# KiCad board Skayboard.kicad_pcb (continued)
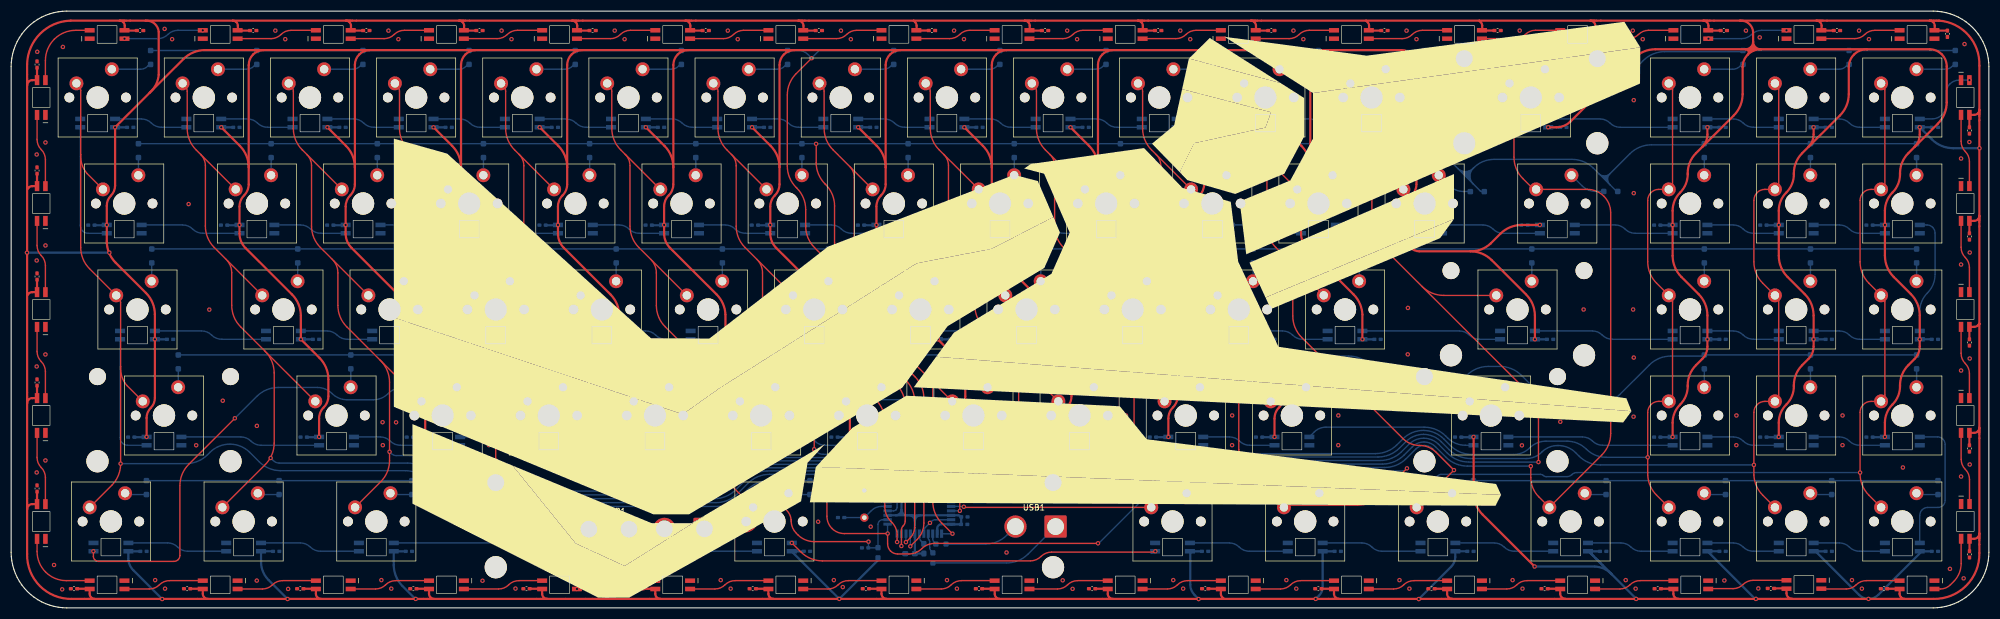
[diagram p0: board, top side]
## Routing (per net, layer and track width the routed paths; a pad name or vN(x,y) marks a point on that pad's centre or on a via; arc(x,y) is an arc through that point) (continued)
/0/DIN: length 14
  Bottom w0.25: 189.73,87.88 194.81,87.88 arc(195.79,87.68) 196.62,87.13 arc(197.45,86.57) 198.43,86.38 203.28,86.38
/1/DIN: length 14
  Bottom w0.25: 31.83,86.38 26.98,86.38 arc(26,86.57) 25.17,87.13 arc(24.34,87.68) 23.36,87.88 18.28,87.88
/1/DOUT: length 14
  Bottom w0.25: 50.88,86.38 46.03,86.38 arc(45.05,86.57) 44.22,87.13 arc(43.39,87.68) 42.41,87.88 37.33,87.88
/2/DOUT: length 14
  Bottom w0.25: 56.38,87.88 61.46,87.88 arc(62.44,87.68) 63.27,87.13 arc(64.1,86.57) 65.08,86.38 69.93,86.38
/3/DOUT: length 14
  Bottom w0.25: 75.43,87.88 80.51,87.88 arc(81.49,87.68) 82.32,87.13 arc(83.15,86.57) 84.13,86.38 88.98,86.38
/4/DOUT: length 14
  Bottom w0.25: 94.48,87.88 99.56,87.88 arc(100.54,87.68) 101.37,87.13 arc(102.2,86.57) 103.18,86.38 108.03,86.38
/5/DOUT: length 14
  Bottom w0.25: 127.07,86.38 122.23,86.38 arc(121.25,86.57) 120.42,87.13 arc(119.59,87.68) 118.61,87.88 113.52,87.88
/6/DOUT: length 14
  Bottom w0.25: 132.58,87.88 137.66,87.88 arc(138.64,87.68) 139.47,87.13 arc(140.3,86.57) 141.28,86.38 146.13,86.38
/7/DOUT: length 14
  Bottom w0.25: 165.18,86.38 160.33,86.38 arc(159.35,86.57) 158.52,87.13 arc(157.69,87.68) 156.71,87.88 151.63,87.88
/8/DOUT: length 14
  Bottom w0.25: 170.68,87.88 175.76,87.88 arc(176.74,87.68) 177.57,87.13 arc(178.4,86.57) 179.38,86.38 184.23,86.38
/"/DIN: length 14
  Bottom w0.25: 236.61,48.27 231.77,48.27 arc(230.79,48.47) 229.96,49.02 arc(229.13,49.58) 228.15,49.77 223.06,49.77
/"/DOUT: length 25.9
  Bottom w0.25: 242.11,49.77 259.87,49.77 arc(260.85,49.58) 261.68,49.02 arc(262.51,48.47) 263.49,48.27 267.57,48.27
/,/DIN: length 14
  Bottom w0.25: 194.49,30.72 199.57,30.72 arc(200.55,30.53) 201.38,29.97 arc(202.21,29.42) 203.19,29.22 208.04,29.22
/,/DOUT: length 14
  Bottom w0.25: 175.44,30.72 180.52,30.72 arc(181.5,30.53) 182.33,29.97 arc(183.16,29.42) 184.14,29.22 188.99,29.22
/-/DIN: length 14
  Bottom w0.25: 222.33,86.38 217.48,86.38 arc(216.5,86.57) 215.67,87.13 arc(214.84,87.68) 213.86,87.88 208.78,87.88
/-/DOUT: length 14
  Bottom w0.25: 227.83,87.88 232.91,87.88 arc(233.89,87.68) 234.72,87.13 arc(235.55,86.57) 236.53,86.38 241.38,86.38
/./DIN: length 14
  Bottom w0.25: 227.09,29.22 222.24,29.22 arc(221.26,29.42) 220.43,29.97 arc(219.6,30.53) 218.62,30.72 213.54,30.72
/;/DIN: length 14
  Bottom w0.25: 217.56,48.27 212.72,48.27 arc(211.74,48.47) 210.91,49.02 arc(210.08,49.58) 209.1,49.77 204.01,49.77
/=/DOUT: length 23.5
  Bottom w0.25: 246.88,87.88 262.07,87.88 arc(263.05,87.68) 263.88,87.13 arc(264.71,86.57) 265.69,86.38 269.95,86.38
/[/DIN: length 14
  Bottom w0.25: 237.35,68.82 242.44,68.82 arc(243.42,68.63) 244.25,68.07 arc(245.08,67.52) 246.06,67.32 250.9,67.32
/A/DIN: length 21.1
  Bottom w0.25: 25.42,49.77 34.17,49.77 arc(35.15,49.58) 35.98,49.02 arc(36.81,48.47) 37.79,48.27 46.11,48.27
/A/DOUT: length 14
  Bottom w0.25: 51.61,49.77 56.7,49.77 arc(57.68,49.58) 58.51,49.02 arc(59.34,48.47) 60.32,48.27 65.16,48.27
/B Slash/DIN: length 18.7
  Bottom w0.25: 298.53,67.32 291.44,67.32 arc(290.46,67.52) 289.63,68.07 arc(288.8,68.63) 287.82,68.82 280.21,68.82
/B Slash/DOUT: length 18.7
  Bottom w0.25: 274.71,67.32 267.74,67.32 arc(266.76,67.52) 265.93,68.07 arc(265.1,68.63) 264.12,68.82 256.4,68.82
/B/DIN: length 14
  Bottom w0.25: 137.34,30.72 142.42,30.72 arc(143.4,30.53) 144.23,29.97 arc(145.06,29.42) 146.04,29.22 150.89,29.22
/B/DOUT: length 14
  Bottom w0.25: 131.84,29.22 126.99,29.22 arc(126.01,29.42) 125.18,29.97 arc(124.35,30.53) 123.37,30.72 118.29,30.72
/Bksp/DOUT: length 23.5
  Bottom w0.25: 275.45,87.88 285.12,87.88 arc(286.1,87.68) 286.93,87.13 arc(287.76,86.57) 288.74,86.38 298.53,86.38
/C/DIN: length 14
  Bottom w0.25: 99.24,30.72 104.32,30.72 arc(105.3,30.53) 106.13,29.97 arc(106.96,29.42) 107.94,29.22 112.79,29.22
/C/DOUT: length 14
  Bottom w0.25: 80.19,30.72 85.27,30.72 arc(86.25,30.53) 87.08,29.97 arc(87.91,29.42) 88.89,29.22 93.74,29.22
/Caps/DIN: length 23.2
  Bottom w0.25: LED66.4 19.54,30.58 arc(19.65,30.06) 19.94,29.62 arc(20.38,29.33) 20.9,29.22 LED35.2
/COL^{0}: length 241.7
  Top w0.25: 12.48,81.47 12.48,64.8 arc(12.9,62.71) 14.07,60.95 19.25,55.77 arc(19.54,55.34) 19.65,54.82 19.65,43.34 ; 12.48,81.47 12.48,92.96 arc(12.38,93.46) 12.1,93.88 MX1.1 ; 12.48,81.47 arc(12.78,79.5) 13.63,78.07 MX18.1 ; MX35.1 20.79,39.95 arc(19.94,41.38) 19.65,43.34 ; MX51.1 18.05,22.02 arc(19.23,23.79) 19.65,25.87 ; 19.65,43.34 v1(19.65,25.92)
  Bottom w0.25: v1(19.65,25.92) 31.39,25.92 arc(33.47,26.34) 35.24,27.52 35.67,27.95 arc(37.31,29.04) 39.24,29.43 arc(41.18,29.04) 42.82,27.95 44.51,26.25 arc(46.28,25.07) 48.36,24.66 70.7,24.66 arc(72.78,24.25) 74.55,23.07 77.11,20.51 arc(78.87,19.33) 80.96,18.91 126.49,18.91 arc(128.57,19.33) 130.33,20.51 132.23,22.4 arc(133.99,23.58) 136.07,23.99 149.75,23.99 arc(151.83,23.58) 153.6,22.4 155.76,20.23 arc(156.2,19.94) 156.72,19.84 U1.18
/COL^{1}: length 232
  Top w0.25: 38.78,62.44 MX36.1 ; 45.55,46.15 41.18,50.51 arc(40,52.28) 39.58,54.36 39.58,60.21 arc(39.32,61.53) 38.58,62.64 36.45,64.77 arc(35.27,66.53) 34.85,68.62 34.85,79.47 arc(34.64,80.56) 34.02,81.49 ; 45.55,46.15 MX52.1 ; 45.55,46.15 arc(46.77,44.33) 47.2,42.23 47.2,29.62 arc(46.79,27.53) 45.61,25.77 MX67.1 ; MX2.1 31.18,93.86 arc(31.48,93.4) 31.59,92.86 31.59,86.17 arc(32,84.09) 33.18,82.32 34.02,81.49 ; 34.02,81.49 MX19.1
  Bottom w0.25: v1(46.57,26.94) 47.03,26.48 arc(47.53,26.14) 48.13,26.02 71.14,26.02 arc(73.22,25.61) 74.99,24.43 78.2,21.22 arc(79.97,20.04) 82.05,19.62 126.18,19.62 arc(128.26,20.04) 130.03,21.22 131.82,23.01 arc(133.58,24.19) 135.67,24.6 150.01,24.6 arc(152.09,24.19) 153.85,23.01 155.85,21.01 arc(156.26,20.74) 156.75,20.64 U1.19
/COL^{2}: length 207.8
  Top w0.25: 57.83,62.44 MX37.1 ; 53.07,81.49 MX20.1 ; 53.07,81.49 52.23,82.32 arc(51.05,84.09) 50.64,86.17 50.64,92.86 arc(50.53,93.4) 50.23,93.86 MX3.1 ; 53.07,81.49 arc(53.69,80.56) 53.9,79.47 53.9,68.62 arc(54.32,66.53) 55.5,64.77 57.63,62.64 arc(58.37,61.53) 58.63,60.21 58.63,54.36 arc(59.05,52.28) 60.23,50.51 66.25,44.49 ; MX68.1 66.31,22.66 arc(67.49,24.42) 67.91,26.5 v1(67.91,28.06) 67.91,40.58 arc(67.47,42.68) 66.25,44.49 ; 66.25,44.49 MX53.1
  Bottom w0.25: U1.20 156.76,21.44 arc(156.28,21.53) 155.87,21.81 154.08,23.59 arc(152.32,24.77) 150.23,25.19 135.26,25.19 arc(133.18,24.77) 131.41,23.59 129.72,21.9 arc(127.96,20.72) 125.88,20.31 83.11,20.31 arc(81.03,20.72) 79.27,21.9 75.39,25.78 arc(73.63,26.96) 71.55,27.37 69.08,27.37 arc(68.63,27.46) 68.25,27.71 v1(67.91,28.06)
/COL^{3}: length 177.2
  Top w0.25: MX4.1 69.28,93.86 arc(69.58,93.4) 69.69,92.86 69.69,86.17 arc(70.1,84.09) 71.28,82.32 72.12,81.49 ; v1(86.96,26.5) 86.96,40.58 arc(86.52,42.68) 85.3,44.49 ; 72.12,81.49 MX21.1 ; 72.12,81.49 arc(72.74,80.56) 72.95,79.47 72.95,68.62 arc(73.37,66.53) 74.55,64.77 76.68,62.64 arc(77.42,61.53) 77.68,60.21 77.68,54.36 arc(78.1,52.28) 79.28,50.51 MX54.1 ; 76.88,62.44 MX38.1
  Bottom w0.25: v1(86.96,26.5) 90.87,22.59 arc(92.64,21.41) 94.72,20.99 125.55,20.99 arc(127.63,21.41) 129.39,22.59 131.01,24.2 arc(132.77,25.38) 134.85,25.8 150.46,25.8 arc(152.55,25.38) 154.31,24.2 155.92,22.59 arc(156.31,22.33) 156.78,22.24 U1.21
/COL^{4}: length 157.8
  Top w0.25: MX55.1 98.33,50.51 arc(97.15,52.28) 96.73,54.36 96.73,60.21 arc(96.47,61.53) 95.73,62.64 93.6,64.77 arc(92.42,66.53) 92,68.62 92,79.47 arc(91.79,80.56) 91.17,81.49 ; 95.93,62.44 MX39.1 ; 91.17,81.49 90.33,82.32 arc(89.15,84.09) 88.74,86.17 88.74,92.86 arc(88.63,93.4) 88.33,93.86 MX5.1 ; 91.17,81.49 MX22.1 ; 106.01,26.5 v1(106.01,26.51) 106.01,40.58 arc(105.57,42.68) 104.35,44.49
  Bottom w0.25: v1(106.01,26.51) 109.26,23.25 arc(111.03,22.07) 113.11,21.66 125.27,21.66 arc(127.35,22.07) 129.11,23.25 130.7,24.84 arc(132.47,26.02) 134.55,26.43 150.72,26.43 arc(152.8,26.02) 154.57,24.84 156.04,23.36 arc(156.4,23.12) 156.82,23.04 U1.22
/COL^{5}: length 149.3
  Top w0.25: 123.4,44.49 MX56.1 ; 110.22,81.49 MX23.1 ; 114.98,62.44 MX40.1 ; MX6.1 107.38,93.86 arc(107.68,93.4) 107.79,92.86 107.79,86.17 arc(108.2,84.09) 109.38,82.32 110.22,81.49 arc(110.84,80.56) 111.05,79.47 111.05,68.62 arc(111.47,66.53) 112.65,64.77 114.78,62.64 arc(115.52,61.53) 115.78,60.21 115.78,54.36 arc(116.2,52.28) 117.38,50.51 123.52,44.37 arc(124.75,42.55) 125.18,40.46 125.18,28.3 arc(125.6,26.21) 126.78,24.45 v1(127.48,23.75) MX69.1
  Bottom w0.25: v1(127.48,23.75) 128.05,23.75 arc(128.58,23.85) 129.02,24.15 130.3,25.42 arc(132.06,26.6) 134.14,27.01 158.43,27.01 arc(159.25,26.85) 159.95,26.39 160.22,26.12 arc(160.49,25.72) 160.58,25.25 U1.25
/COL^{6}: length 119.3
  Top w0.25: MX57.1 136.43,50.51 arc(135.25,52.28) 134.83,54.36 134.83,60.21 arc(134.57,61.53) 133.83,62.64 131.7,64.77 arc(130.52,66.53) 130.1,68.62 130.1,79.47 arc(129.89,80.56) 129.27,81.49 ; 129.27,81.49 MX24.1 ; 129.27,81.49 128.43,82.32 arc(127.25,84.09) 126.84,86.17 126.84,92.86 arc(126.73,93.4) 126.43,93.86 MX7.1 ; 134.03,62.44 MX41.1 ; v1(144.11,28.51) 144.11,40.58 arc(143.67,42.68) 142.45,44.49
  Bottom w0.25: v1(144.11,28.51) 144.56,28.06 arc(145.07,27.72) 145.67,27.6 158.3,27.6 arc(159.48,27.36) 160.48,26.7 161.01,26.17 arc(161.28,25.75) 161.38,25.27 U1.26
/COL^{7}: length 108.3
  Top w0.25: 152.9,62.62 MX42.1 ; v1(168.92,13.32) 166.99,15.26 arc(165.81,17.03) 165.39,19.11 165.39,40.6 ; 165.39,40.6 157.67,48.32 arc(156.49,50.09) 156.07,52.17 156.07,58.02 arc(155.81,59.34) 155.07,60.45 ; 165.39,40.6 MX58.1 ; MX8.1 145.48,93.86 arc(145.78,93.4) 145.89,92.86 145.89,86.17 arc(146.3,84.09) 147.48,82.32 148.31,81.5 ; 148.32,81.49 MX25.1 ; 150.47,79.34 arc(151.09,78.41) 151.3,77.32 151.3,66.47 arc(151.72,64.38) 152.9,62.62
  Bottom w0.25: U1.1 166.99,13.33 arc(166.99,13.33) 167,13.32 v1(168.92,13.32)
/COL^{8}: length 118.1
  Top w0.25: 167.37,81.49 MX26.1 ; 167.37,81.49 166.53,82.32 arc(165.35,84.09) 164.94,86.17 164.94,92.86 arc(164.83,93.4) 164.53,93.86 MX9.1 ; 167.37,81.49 arc(167.99,80.56) 168.2,79.47 168.2,68.62 arc(168.62,66.53) 169.8,64.77 171.93,62.64 arc(172.67,61.53) 172.93,60.21 172.93,54.36 arc(173.35,52.28) 174.53,50.51 179.15,45.9 ; 172.13,62.44 MX43.1 ; 179.15,45.9 MX59.1 ; 179.15,45.9 arc(180.37,44.09) 180.8,41.99 180.8,33.96 arc(180.39,31.88) 179.21,30.11 171.54,22.45 arc(170.58,21) 170.24,19.29 170.24,17.45 arc(170.24,17.44) 170.24,17.44 v1(170.24,17.44)
  Bottom w0.25: v1(170.24,17.44) U1.41
/COL^{9}: length 147.7
  Top w0.25: MX10.1 183.58,93.86 arc(183.88,93.4) 183.99,92.86 183.99,86.17 arc(184.4,84.09) 185.58,82.32 186.42,81.49 ; 186.42,81.49 MX27.1 ; 186.42,81.49 arc(187.04,80.56) 187.25,79.47 187.25,68.62 arc(187.67,66.53) 188.85,64.77 190.98,62.64 arc(191.72,61.53) 191.98,60.21 191.98,54.36 arc(192.4,52.28) 193.58,50.51 199.85,44.24 arc(201.08,42.43) 201.51,40.33 201.51,23.33 arc(201.91,21.32) 203.05,19.61 MX70.1 171.14,18.07 arc(171.07,18.08) 171.01,18.12 v1(170.96,18.17) ; 199.6,44.49 MX60.1 ; 191.18,62.44 MX44.1
  Bottom w0.25: U1.40 170.84,18.24 arc(170.89,18.23) 170.93,18.2 v1(170.96,18.17)
/COL^{10}: length 221.9
  Top w0.25: 205.47,81.49 MX28.1 ; 205.47,81.49 204.63,82.32 arc(203.45,84.09) 203.04,86.17 203.04,92.86 arc(202.93,93.4) 202.63,93.86 MX11.1 ; 205.47,81.49 arc(206.09,80.56) 206.3,79.47 206.3,68.62 arc(206.72,66.53) 207.9,64.77 210.03,62.64 arc(210.77,61.53) 211.03,60.21 211.03,54.36 arc(211.45,52.28) 212.63,50.51 218.65,44.49 arc(219.88,42.68) 220.31,40.58 220.31,28.42 arc(220.72,26.33) 221.9,24.57 228.21,18.26 arc(228.41,18.18) 228.6,18.26 arc(228.82,18.4) 229.07,18.45 241.6,18.45 arc(243.68,18.87) 245.45,20.05 v1(250.48,25.08) ; 210.23,62.44 MX45.1 ; 218.65,44.49 MX61.1
  Bottom w0.25: U1.38 169.65,19.84 arc(170.54,20.02) 171.29,20.52 173.81,23.03 arc(175.57,24.21) 177.65,24.63 249.7,24.63 arc(250,24.69) 250.25,24.86 v1(250.48,25.08)
/COL^{11}: length 229.8
  Top w0.25: MX12.1 221.68,93.86 arc(221.98,93.4) 222.09,92.86 222.09,86.17 arc(222.5,84.09) 223.68,82.32 224.52,81.49 ; 228.37,63.35 MX46.1 ; 228.37,63.35 228.42,63.3 arc(229.59,61.55) 229.99,59.5 229.99,52.45 arc(230.41,50.37) 231.59,48.6 241.54,38.65 ; 228.37,63.35 226.85,64.87 ; 241.54,38.65 249.76,30.43 arc(251.12,29.52) 252.73,29.2 arc(254.34,28.88) 255.71,27.96 v1(258.91,24.76) MX72.1 ; 241.54,38.65 arc(243.24,37.47) 245.14,37.05 261.64,37.05 arc(261.68,37.06) 261.71,37.08 MX62.1 ; 224.52,81.49 MX29.1 ; 224.52,81.49 arc(225.14,80.56) 225.35,79.47 225.35,68.62 arc(225.77,66.53) 226.95,64.77
  Bottom w0.25: U1.37 169.58,20.64 arc(170.4,20.8) 171.11,21.27 173.48,23.64 arc(175.24,24.82) 177.32,25.24 246.5,25.24 arc(248.58,25.65) 250.35,26.83 252.1,28.58 arc(252.78,29.04) 253.6,29.2 arc(254.41,29.04) 255.1,28.58 v1(258.91,24.76)
/COL^{12}: length 215.7
  Top w0.25: v1(274.08,26.2) 274.08,34.63 arc(273.66,36.71) 272.48,38.48 253.21,57.75 ; 253.21,57.75 245.78,65.18 arc(244.61,66.94) 244.19,69.03 244.19,79.84 arc(244,80.79) 243.46,81.59 242.73,82.32 arc(241.55,84.09) 241.14,86.17 241.14,92.86 arc(241.03,93.4) 240.73,93.86 MX13.1 ; 253.21,57.75 arc(254.97,56.57) 257.06,56.16 266.5,56.16 arc(266.5,56.16) 266.51,56.16 MX47.1 ; 243.57,81.49 MX30.1
  Bottom w0.25: v1(274.08,26.2) 261.6,26.2 arc(259.52,26.62) 257.75,27.8 256.16,29.39 arc(254.94,30.21) 253.49,30.49 arc(252.05,30.21) 250.83,29.39 249.51,28.07 arc(247.75,26.9) 245.66,26.48 166.96,26.48 arc(166.66,26.42) 166.41,26.25 arc(166.24,26) 166.18,25.7 U1.32
/COL^{13}: length 210.8
  Top w0.25: MX14.1 269.29,93.87 arc(269.58,93.43) 269.68,92.91 269.68,81.01 arc(270.1,78.93) 271.28,77.16 273.07,75.37 arc(273.24,75.26) 273.44,75.22 282.85,75.22 arc(284.46,74.9) 285.81,73.99 arc(286.72,72.63) 287.04,71.03 287.04,31.33 arc(286.62,29.24) 285.45,27.48 MX73.1 274.15,19.95 arc(273.08,21.55) 272.71,23.43 272.71,25.46 arc(272.71,25.46) v1(272.71,25.46)
  Bottom w0.25: v1(272.71,25.47) 272.7,25.47 arc(272.69,25.48) 272.67,25.48 261.33,25.48 arc(259.24,25.9) 257.48,27.08 255.61,28.95 arc(254.66,29.58) 253.53,29.81 arc(252.4,29.58) 251.45,28.95 249.94,27.44 arc(248.18,26.26) 246.09,25.85 176.97,25.85 arc(174.89,25.43) 173.12,24.25 170.88,22.01 arc(170.24,21.59) 169.49,21.44 U1.36
/COL^{14}: length 218.9
  Top w0.25: MX63.1 295.67,37.12 arc(294.91,36.96) 294.27,36.54 arc(293.84,35.89) 293.69,35.13 v1(293.69,27.07) 293.69,27.06 arc(293.69,27.06) 293.69,27.06 293.69,23.86 arc(294.15,21.91) 295.28,20.25 MX74.1 ; MX32.1 295.67,75.22 arc(294.91,75.06) 294.27,74.64 arc(293.84,73.99) 293.69,73.23 293.69,62.2 arc(294.1,60.12) 295.28,58.35 297.8,55.83 arc(298.06,55.45) 298.14,55.01 298.14,37.79 ; MX15.1 297.8,93.93 arc(298.06,93.55) 298.14,93.11 298.14,75.89
  Bottom w0.25: v1(293.69,27.07) 286.18,27.07 arc(284.29,27.44) 282.69,28.51 arc(281.09,29.58) 279.19,29.96 275.41,29.96 arc(273.85,29.65) 272.53,28.77 arc(271.21,27.88) 269.65,27.57 262.13,27.57 arc(260.05,27.99) 258.29,29.17 257.08,30.37 arc(255.4,31.5) 253.42,31.89 arc(251.43,31.5) 249.75,30.37 248.7,29.32 arc(246.93,28.14) 244.85,27.73 167.05,27.73 arc(166.1,27.54) 165.3,27 165.12,26.82 arc(164.72,26.22) 164.58,25.51 U1.30
/COL^{15}: length 237.1
  Top w0.25: 317.19,55.49 317.19,38.27 arc(317.11,37.83) 316.85,37.45 arc(316.48,37.2) 316.04,37.12 314.72,37.12 arc(313.96,36.96) 313.32,36.54 arc(312.89,35.89) 312.74,35.13 312.74,25.7 arc(312.74,25.7) v1(312.74,25.69) 312.74,23.86 arc(313.2,21.91) 314.33,20.25 MX75.1 ; MX33.1 314.72,75.22 arc(313.96,75.06) 313.32,74.64 arc(312.89,73.99) 312.74,73.23 312.74,62.2 arc(313.15,60.12) 314.33,58.35 MX49.1 ; 317.19,75.89 317.19,93.11 arc(317.11,93.55) 316.85,93.93 MX16.1
  Bottom w0.25: U1.31 165.38,25.49 arc(165.5,26.11) 165.86,26.64 arc(166.38,26.99) 167.01,27.12 245.28,27.12 arc(247.36,27.53) 249.13,28.71 250.29,29.87 arc(251.74,30.84) 253.45,31.18 arc(255.17,30.84) 256.62,29.87 258.06,28.43 arc(259.82,27.25) 261.91,26.84 271.87,26.84 arc(273.39,27.14) 274.69,28.01 arc(275.98,28.87) 277.51,29.17 277.66,29.17 arc(279.33,28.84) 280.74,27.9 281.35,27.29 arc(283.11,26.11) 285.2,25.69 v1(312.74,25.69)
/COL^{16}: length 250.2
  Top w0.25: MX17.1 335.9,93.93 arc(336.16,93.55) 336.24,93.11 336.24,75.89 ; MX65.1 335.9,37.45 arc(336.16,37.83) 336.24,38.27 336.24,55.01 arc(336.16,55.45) 335.9,55.83 MX50.1 333.38,58.35 arc(332.2,60.12) 331.79,62.2 331.79,73.24 arc(331.94,73.99) 332.37,74.64 arc(333.01,75.07) 333.77,75.22 MX34.1 ; 335.57,18.06 333.38,20.25 arc(332.2,22.01) 331.79,24.1 v1(331.79,24.32) 331.79,35.13 arc(331.94,35.89) 332.37,36.53 arc(333.01,36.96) 333.77,37.11 335.33,37.11 arc(335.55,37.16) 335.74,37.28
  Bottom w0.25: v1(331.79,24.32) 280.97,24.32 arc(280.49,24.23) 280.09,23.95 arc(279.68,23.68) 279.2,23.59 275.46,23.59 arc(275.19,23.64) 274.97,23.79 arc(274.74,23.94) 274.48,23.99 256.6,23.99 arc(256.32,23.94) 256.08,23.78 arc(255.84,23.62) 255.56,23.56 251.6,23.56 arc(251.32,23.62) 251.08,23.78 arc(250.84,23.94) 250.56,23.99 208.13,23.99 arc(206.05,23.58) 204.29,22.4 202.52,20.63 arc(200.76,19.45) 198.67,19.04 168.68,19.04 arc(168.68,19.04) U1.39
/D/DIN: length 14
  Bottom w0.25: 70.66,49.77 75.75,49.77 arc(76.73,49.58) 77.56,49.02 arc(78.39,48.47) 79.37,48.27 84.21,48.27
/D/DOUT: length 14
  Bottom w0.25: 89.71,49.77 94.8,49.77 arc(95.78,49.58) 96.61,49.02 arc(97.44,48.47) 98.42,48.27 103.26,48.27
/Del/DIN: length 14
  Bottom w0.25: 317.58,67.32 312.64,67.32 arc(311.66,67.52) 310.83,68.07 arc(310,68.63) 309.02,68.82 304.03,68.82
/Down/DIN: length 14
  Bottom w0.25: 304.03,11.67 309.02,11.67 arc(310,11.48) 310.83,10.92 arc(311.66,10.37) 312.64,10.17 317.58,10.17
/Down/DOUT: length 14
  Bottom w0.25: 323.08,11.67 328.07,11.67 arc(329.05,11.48) 329.88,10.92 arc(330.71,10.37) 331.69,10.17 336.63,10.17
/E/DIN: length 14
  Bottom w0.25: 84.95,68.82 90.04,68.82 arc(91.01,68.63) 91.85,68.07 arc(92.68,67.52) 93.66,67.32 98.5,67.32
/E/DOUT: length 14
  Bottom w0.25: 79.45,67.32 74.61,67.32 arc(73.63,67.52) 72.8,68.07 arc(71.96,68.63) 70.99,68.82 65.9,68.82
/End/DIN: length 14
  Bottom w0.25: 336.63,67.32 331.69,67.32 arc(330.71,67.52) 329.88,68.07 arc(329.05,68.63) 328.07,68.82 323.08,68.82
/Enter/DOUT: length 25.9
  Bottom w0.25: 273.07,49.77 283.72,49.77 arc(284.7,49.58) 285.53,49.02 arc(286.36,48.47) 287.34,48.27 298.53,48.27
/Esc/DIN: length 23.2
  Bottom w0.25: LED1.4 12.4,68.77 arc(12.51,68.22) 12.82,67.75 arc(13.29,67.43) 13.85,67.32 LED18.2
/F Slash/DIN: length 31.4
  Bottom w0.25: 262.81,29.22 260.95,29.22 arc(259.23,29.57) 257.78,30.54 257.44,30.88 arc(255.67,32.06) 253.59,32.48 235.94,32.48 arc(234.8,32.25) 233.83,31.6 232.96,30.73 arc(232.96,30.73) 232.96,30.73 LED61.4
/F/DOUT: length 14
  Bottom w0.25: 122.31,48.27 117.47,48.27 arc(116.49,48.47) 115.66,49.02 arc(114.83,49.58) 113.85,49.77 108.76,49.77
/G/DOUT: length 14
  Bottom w0.25: 141.36,48.27 136.52,48.27 arc(135.54,48.47) 134.71,49.02 arc(133.88,49.58) 132.9,49.77 127.81,49.77
/H/DOUT: length 14
  Bottom w0.25: 160.41,48.27 155.57,48.27 arc(154.59,48.47) 153.76,49.02 arc(152.93,49.58) 151.95,49.77 146.86,49.77
/Home/DIN: length 14
  Bottom w0.25: 317.58,86.38 312.64,86.38 arc(311.66,86.57) 310.83,87.13 arc(310,87.68) 309.02,87.88 304.03,87.88
/Home/DOUT: length 14
  Bottom w0.25: 336.63,86.38 331.69,86.38 arc(330.71,86.57) 329.88,87.13 arc(329.05,87.68) 328.07,87.88 323.08,87.88
/I/DIN: length 14
  Bottom w0.25: 193.75,67.32 188.91,67.32 arc(187.93,67.52) 187.1,68.07 arc(186.27,68.63) 185.29,68.82 180.2,68.82
/I/DOUT: length 14
  Bottom w0.25: 161.15,68.82 166.24,68.82 arc(167.22,68.63) 168.05,68.07 arc(168.88,67.52) 169.86,67.32 174.7,67.32
/J/DOUT: length 14
  Bottom w0.25: 165.91,49.77 171,49.77 arc(171.98,49.58) 172.81,49.02 arc(173.64,48.47) 174.62,48.27 179.46,48.27
/K/DOUT: length 14
  Bottom w0.25: 198.51,48.27 193.67,48.27 arc(192.69,48.47) 191.86,49.02 arc(191.03,49.58) 190.05,49.77 184.96,49.77
/L Alt/DIN: length 18.7
  Bottom w0.25: 44.47,11.67 51.88,11.67 arc(52.86,11.48) 53.69,10.92 arc(54.53,10.37) 55.51,10.17 62.78,10.17
/L Alt/DOUT: length 66.3
  Bottom w0.25: 134.22,10.17 92.24,10.17 arc(91.26,10.37) 90.43,10.92 arc(89.6,11.48) 88.62,11.67 68.28,11.67
/L Ctrl/DOUT: length 18.7
  Bottom w0.25: 38.97,10.17 31.69,10.17 arc(30.71,10.37) 29.88,10.92 arc(29.05,11.48) 28.07,11.67 20.66,11.67
/L Shift/DIN: length 25.9
  Bottom w0.25: 55.64,29.22 44.84,29.22 arc(43.86,29.42) 43.03,29.97 arc(42.2,30.53) 41.22,30.72 30.18,30.72
/LED: length 189.8
  Top w0.25: v1(162.97,31.85) v1(162.97,28.74) ; v1(40.15,34.07) 31.88,25.8 arc(30.7,24.04) 30.28,21.96 30.28,9.42 arc(30.2,9.01) 29.97,8.67 arc(29.63,8.44) 29.22,8.36 15.67,8.36 arc(15.32,8.43) 15.02,8.63 arc(14.82,8.92) 14.75,9.28 v1(14.75,10.18)
  Bottom w0.25: 136.45,37.4 141.86,37.4 arc(142.69,37.57) 143.39,38.04 144.02,38.67 ; v1(162.97,28.74) 163.37,28.34 arc(163.67,27.89) 163.78,27.35 U1.29 ; v1(162.97,31.85) 162.97,35.44 arc(162.82,36.2) 162.39,36.84 arc(161.75,37.27) 160.99,37.42 155.53,37.42 arc(154.09,37.7) 152.86,38.52 arc(151.64,39.34) 150.2,39.62 146.53,39.62 arc(145.17,39.37) 144,38.65 ; v1(40.15,34.07) 44.09,38.02 arc(45.86,39.2) 47.94,39.61 54.94,39.61 arc(56.38,39.33) 57.6,38.51 arc(58.83,37.69) 60.27,37.4 64.99,37.4 arc(66.43,37.69) 67.65,38.51 arc(68.88,39.33) 70.32,39.61 73.99,39.61 arc(75.43,39.33) 76.65,38.51 arc(77.88,37.69) 79.32,37.4 84.82,37.4 arc(85.54,37.55) 86.15,37.96 86.7,38.51 arc(87.93,39.33) 89.37,39.61 93.04,39.61 arc(94.48,39.33) 95.7,38.51 arc(96.93,37.69) 98.37,37.4 103.09,37.4 arc(104.53,37.69) 105.75,38.51 arc(106.98,39.33) 108.42,39.61 112.09,39.61 arc(113.53,39.33) 114.75,38.51 arc(115.98,37.69) 117.42,37.4 122.14,37.4 arc(123.58,37.69) 124.8,38.51 arc(126.03,39.33) 127.47,39.61 131.14,39.61 arc(132.58,39.33) 133.8,38.51 arc(135.03,37.69) 136.47,37.4
/Left/DIN: length 16.3
  Bottom w0.25: 282.59,11.67 288.87,11.67 arc(289.85,11.48) 290.68,10.92 arc(291.51,10.37) 292.49,10.17 298.53,10.17
/M/DOUT: length 14
  Bottom w0.25: 156.39,30.72 161.47,30.72 arc(162.45,30.53) 163.28,29.97 arc(164.11,29.42) 165.09,29.22 169.94,29.22
/Meta/DIN: length 18.7
  Bottom w0.25: 253.28,10.17 246.01,10.17 arc(245.03,10.37) 244.19,10.92 arc(243.36,11.48) 242.38,11.67 234.97,11.67
/Meta/DOUT: length 18.7
  Bottom w0.25: 277.09,10.17 269.74,10.17 arc(268.76,10.37) 267.93,10.92 arc(267.1,11.48) 266.12,11.67 258.78,11.67
/O/DIN: length 14
  Bottom w0.25: 199.25,68.82 204.34,68.82 arc(205.32,68.63) 206.15,68.07 arc(206.98,67.52) 207.96,67.32 212.8,67.32
/P/DIN: length 14
  Bottom w0.25: 218.3,68.82 223.39,68.82 arc(224.37,68.63) 225.2,68.07 arc(226.03,67.52) 227.01,67.32 231.85,67.32
/PgDn/DIN: length 21.9
  Bottom w0.25: 342.5,68.82 343.77,68.82 arc(344.34,68.71) 344.82,68.39 arc(345.14,67.91) 345.25,67.35 345.25,59.91 arc(344.89,58.12) 343.87,56.59 arc(342.86,55.07) 342.5,53.27 LED50.2
/Q/DIN: length 14
  Bottom w0.25: 60.4,67.32 55.56,67.32 arc(54.58,67.52) 53.75,68.07 arc(52.91,68.63) 51.94,68.82 46.85,68.82
/Q/DOUT: length 18.7
  Bottom w0.25: 23.04,68.82 30.77,68.82 arc(31.75,68.63) 32.58,68.07 arc(33.41,67.52) 34.39,67.32 41.35,67.32
/R Alt/DIN: length 67.6